# Altium PCB RF-BIG-DB5AT_v1.pcbdoc (part 5 of 7)
Units mm, origin at the board's own origin, x right, y up, seen from the top; angles counter-clockwise.
Board outline 281 x 128.57 mm, 2 copper layers (Top Layer, Bottom Layer), stack 1.671 mm thick; 500 components, 260 nets, 1552 pads, 9606 vias.
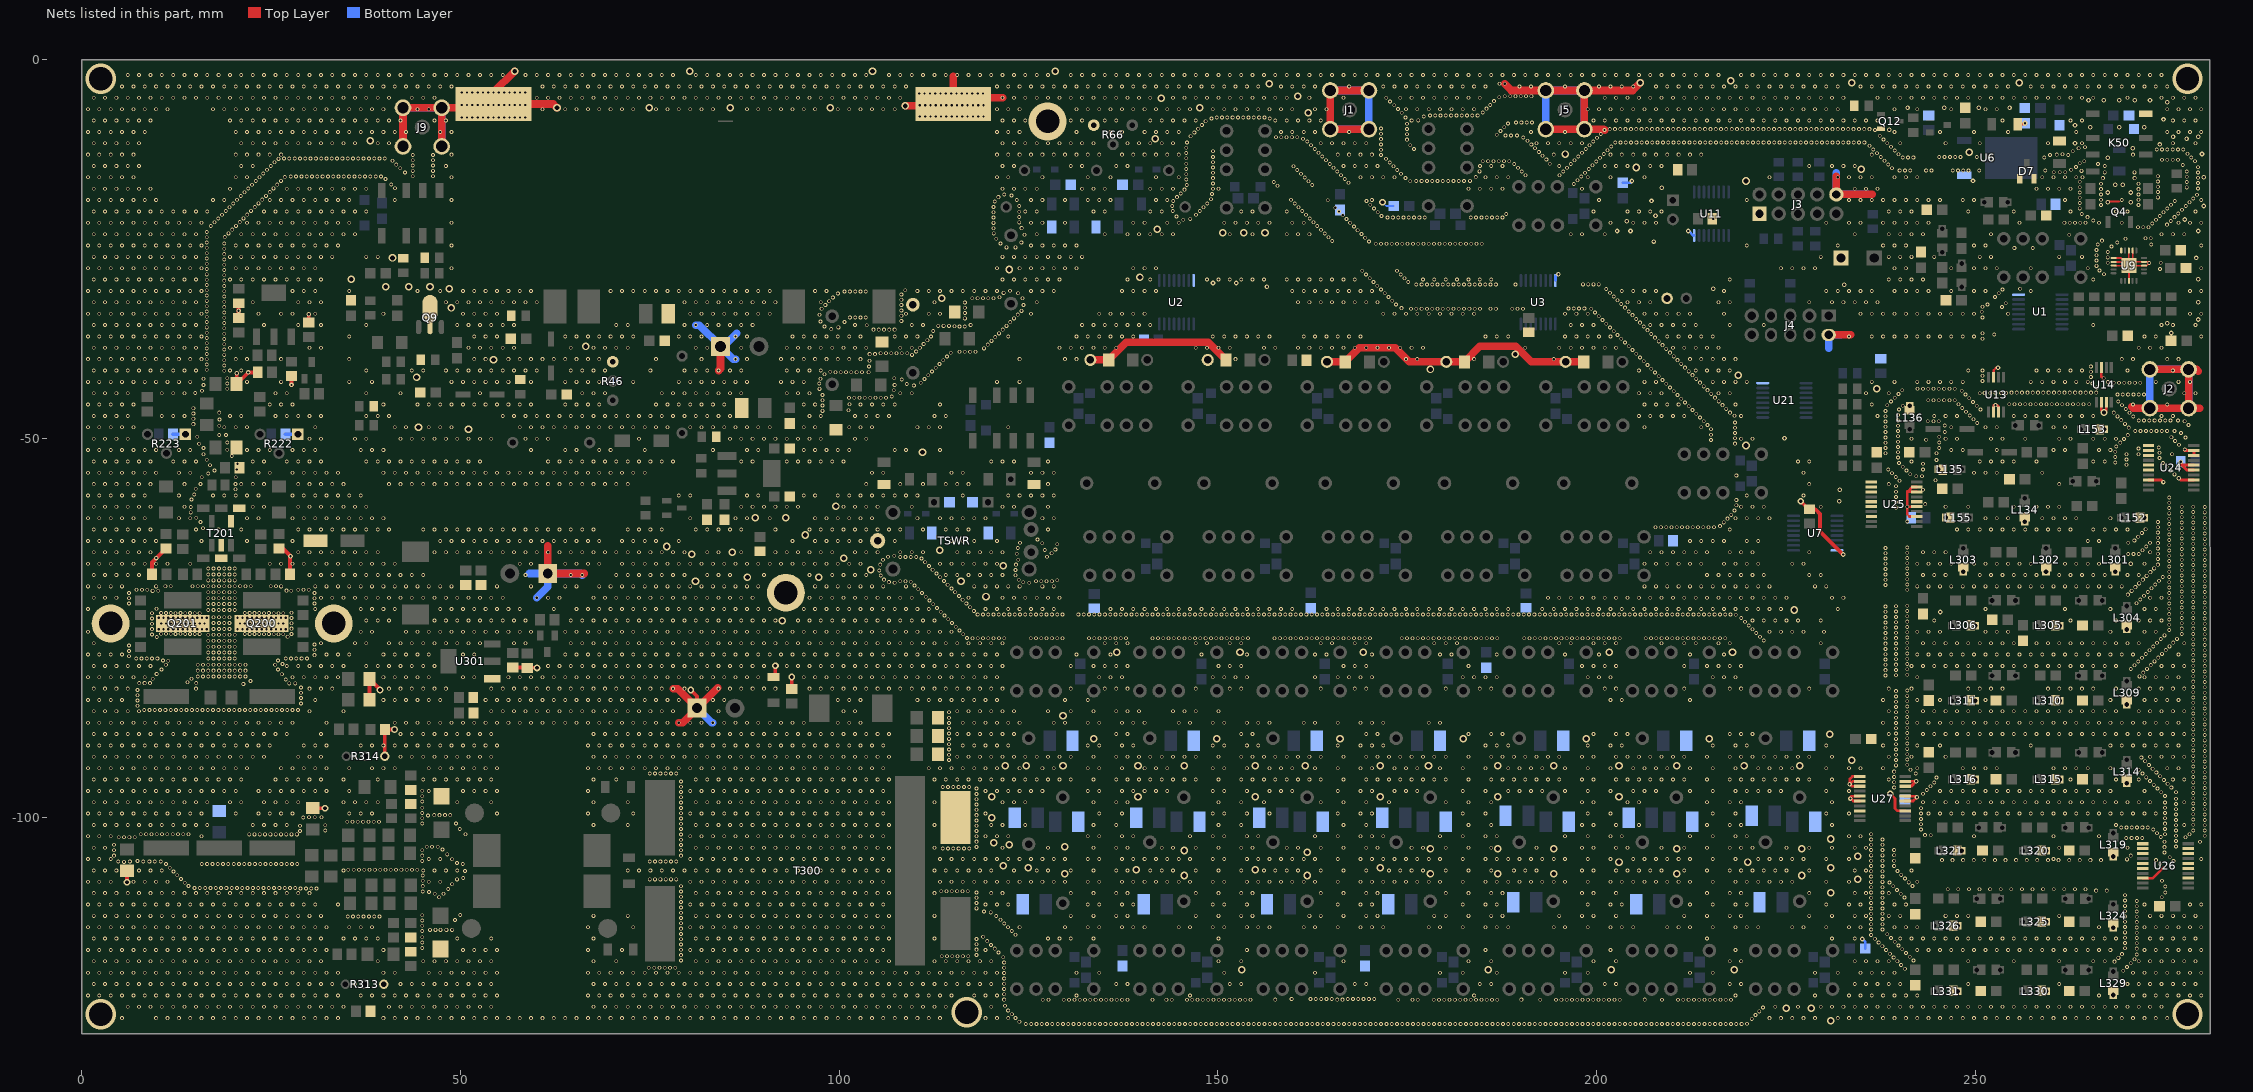
[diagram p5: the nets of this part, all layers, seen from the top]

## Via types
v1: diameter 0.5, hole 0.3, Top Layer to Bottom Layer, tented both sides, 9171 vias
v2: diameter 1, hole 0.61, Top Layer to Bottom Layer, 141 vias
v3: diameter 0.9, hole 0.5, Top Layer to Bottom Layer, 84 vias
v4: diameter 0.61, hole 0.305, Top Layer to Bottom Layer, 83 vias
v5: diameter 0.5, hole 0.3, Top Layer to Bottom Layer, tented bottom, 64 vias
v6: diameter 0.6, hole 0.3, Top Layer to Bottom Layer, 43 vias
v7: diameter 4, hole 3.1, Top Layer to Bottom Layer, 6 vias
v8: diameter 0.7, hole 0.3, Top Layer to Bottom Layer, 4 vias
v9: diameter 0.61, hole 0.306, Top Layer to Bottom Layer, 3 vias
v10: diameter 0.5, hole 0.305, Top Layer to Bottom Layer, 2 vias
v11: diameter 2, hole 1, Top Layer to Bottom Layer, 2 vias
v12: diameter 0.5, hole 0.3, Top Layer to Bottom Layer, 1 vias
v13: diameter 5, hole 3.1, Top Layer to Bottom Layer, 1 vias
v14: diameter 1, hole 0.4, Top Layer to Bottom Layer, 1 vias

## Nets (pads, with @x,y where several pads share a name; then routed paths per layer and width w, separated by ;. In a path a pad name is that pad's centre, name@x,y a point inside that pad or via, vN(x,y) a via of type N, cw(c..) or ccw(c..) an arc to the next point about the centre after c; other vN are vias at no path point) (continued)
GND: (continued)
  other v1: 72.068,-47.022 73.568,-47.022 75.068,-47.022 76.568,-47.022 78.068,-47.022 79.568,-47.022 81.068,-47.022 82.568,-47.022 84.068,-47.022 85.568,-47.022 96.068,-47.022 97.568,-47.022 102.068,-47.022 103.568,-47.022 105.068,-47.022 106.568,-47.022 112.568,-47.022 114.068,-47.022 205.568,-47.022 207.068,-47.022 208.568,-47.022 210.068,-47.022 211.568,-47.022 219.068,-47.022 237.068,-47.022 244.568,-47.022 246.068,-47.022 247.568,-47.022 255.068,-47.022 256.568,-47.022 258.068,-47.022 259.568,-47.022 261.068,-47.022 262.568,-47.022 264.068,-47.022 265.568,-47.022 274.568,-47.022 276.068,-47.022 218.186,-46.99 249.262,-46.951 239.776,-46.916 213.145,-46.725 14.732,-46.703 270.344,-46.609 18.161,-46.583 217.589,-46.583 268.256,-46.583 248.767,-46.456 97.79,-46.35 238.125,-46.355 101.219,-46.278 212.65,-46.23 239.916,-46.163 250.659,-46.163 269.849,-46.114 217.094,-46.088 14.732,-46.003 248.272,-45.961 212.155,-45.735 240.411,-45.668 250.164,-45.668 97.79,-45.65 238.373,-45.619 269.354,-45.619 216.599,-45.593 0.818,-45.522 2.318,-45.522 3.818,-45.522 5.318,-45.522 6.818,-45.522 24.818,-45.522 26.318,-45.522 27.818,-45.522 39.818,-45.522 44.318,-45.522 45.818,-45.522 47.318,-45.522 48.818,-45.522 50.318,-45.522 51.818,-45.522 53.318,-45.522 54.818,-45.522 56.318,-45.522 57.818,-45.522 59.318,-45.522 63.818,-45.522 65.318,-45.522 66.818,-45.522 68.318,-45.522 75.818,-45.522 77.318,-45.522 78.818,-45.522 80.318,-45.522 81.818,-45.522 83.318,-45.522 84.818,-45.522 95.318,-45.522 96.818,-45.522 102.818,-45.522 104.318,-45.522 105.818,-45.522 107.318,-45.522 113.318,-45.522 206.318,-45.522 207.818,-45.522 209.318,-45.522 210.818,-45.522 218.318,-45.522 236.318,-45.522 270.818,-45.522 275.318,-45.522 101.346,-45.466 247.777,-45.466 254.472,-45.466 255.172,-45.466 255.872,-45.466 256.572,-45.466 257.272,-45.466 257.972,-45.466 258.672,-45.466 259.372,-45.466 260.072,-45.466 260.772,-45.466 261.472,-45.466 262.172,-45.466 262.872,-45.466 263.572,-45.466 264.272,-45.466 265.036,-45.466 211.66,-45.24 249.669,-45.173 238.868,-45.124 268.859,-45.124 216.104,-45.098 97.79,-44.95 243.769,-44.958 244.469,-44.958 245.169,-44.958 245.869,-44.958 246.569,-44.958 247.269,-44.958 211.165,-44.745 249.174,-44.678 101.281,-44.633 101.981,-44.633 102.681,-44.633 103.381,-44.633 104.081,-44.633 104.781,-44.633 105.481,-44.633 106.181,-44.633 239.363,-44.629 215.609,-44.603 106.934,-44.45 97.79,-44.25 210.67,-44.25 268.761,-44.196 269.461,-44.196 270.161,-44.196 270.861,-44.196 271.561,-44.196 272.261,-44.196 248.679,-44.183 239.858,-44.134 215.114,-44.108 1.568,-44.022 3.068,-44.022 4.568,-44.022 6.068,-44.022 10.568,-44.022 12.068,-44.022 13.568,-44.022 25.568,-44.022 27.068,-44.022 37.568,-44.022 42.068,-44.022 52.568,-44.022 66.068,-44.022 67.568,-44.022 69.068,-44.022 76.568,-44.022 78.068,-44.022 79.568,-44.022 81.068,-44.022 82.568,-44.022 84.068,-44.022 85.568,-44.022 87.068,-44.022 93.068,-44.022 94.568,-44.022 96.068,-44.022 108.068,-44.022 109.568,-44.022 205.568,-44.022 207.068,-44.022 208.568,-44.022 216.068,-44.022 217.568,-44.022 235.568,-44.022 238.568,-44.022 250.568,-44.022 277.568,-44.022 279.068,-44.022 14.986,-43.992 251.206,-43.992 251.968,-43.992 252.665,-43.992 253.365,-43.992 254.065,-43.992 254.765,-43.942 255.465,-43.942 256.165,-43.942 256.865,-43.942 257.565,-43.942 258.265,-43.942 258.965,-43.942 259.665,-43.942 260.365,-43.942 261.065,-43.942 261.765,-43.942 262.465,-43.942 263.165,-43.942 263.865,-43.942 264.565,-43.942 265.265,-43.942 265.965,-43.942 210.175,-43.755 15.875,-43.688 248.184,-43.688 107.188,-43.626 240.353,-43.639 214.619,-43.613 19.218,-43.437 97.409,-43.447 242.369,-43.434 243.069,-43.434 243.769,-43.434 244.469,-43.434 245.169,-43.434 245.869,-43.434 246.569,-43.434 247.269,-43.434 209.68,-43.26 266.065,-43.251 214.124,-43.118 109.855,-42.988 107.315,-42.941 16.084,-42.926 108.905,-42.799 209.185,-42.765 19.218,-42.737 97.364,-42.741 265.457,-42.727 110.765,-42.649 268.251,-42.649 268.951,-42.649 269.651,-42.649 270.351,-42.649 271.051,-42.649 271.751,-42.649 213.629,-42.623 267.486,-42.545 0.818,-42.522 2.318,-42.522 3.818,-42.522 5.318,-42.522 6.818,-42.522 8.318,-42.522 9.818,-42.522 11.318,-42.522 12.818,-42.522 14.318,-42.522 21.818,-42.522 26.318,-42.522 35.318,-42.522 38.318,-42.522 48.818,-42.522 50.318,-42.522 51.818,-42.522 53.318,-42.522 54.818,-42.522 56.318,-42.522 59.318,-42.522 63.818,-42.522 65.318,-42.522 66.818,-42.522 68.318,-42.522 72.818,-42.522 78.818,-42.522 80.318,-42.522 81.818,-42.522 83.318,-42.522 84.818,-42.522 86.318,-42.522 87.818,-42.522 92.318,-42.522 93.818,-42.522 95.318,-42.522 120.818,-42.522 123.818,-42.522 206.318,-42.522 207.818,-42.522 215.318,-42.522 216.818,-42.522 218.318,-42.522 219.818,-42.522 236.318,-42.522 239.318,-42.522 242.318,-42.522 243.818,-42.522 245.318,-42.522 246.818,-42.522 248.318,-42.522 257.318,-42.522 258.818,-42.522 260.318,-42.522 261.818,-42.522 263.318,-42.522 264.818,-42.522 273.818,-42.522 276.818,-42.522 278.318,-42.522 250.938,-42.418 208.69,-42.27 108.251,-42.214 111.26,-42.154 213.134,-42.128 16.084,-42.121 97.536,-42.121 19.218,-42.037 107.276,-42.036 265.242,-41.883 208.195,-41.776 250.938,-41.718 111.755,-41.659 212.639,-41.633 98.062,-41.529 207.7,-41.281 99.497,-41.241 100.197,-41.241 100.897,-41.241 101.597,-41.241 102.297,-41.241 102.997,-41.241 103.883,-41.241 98.806,-41.197 112.25,-41.164 265.242,-41.183 212.144,-41.138 18.818,-41.057 1.568,-41.022 3.068,-41.022 4.568,-41.022 6.068,-41.022 7.568,-41.022 9.068,-41.022 10.568,-41.022 12.068,-41.022 13.568,-41.022 15.068,-41.022 19.568,-41.022 21.068,-41.022 37.568,-41.022 43.568,-41.022 45.068,-41.022 48.068,-41.022 49.568,-41.022 51.068,-41.022 52.568,-41.022 54.068,-41.022 55.568,-41.022 57.068,-41.022 58.568,-41.022 60.068,-41.022 64.568,-41.022 66.068,-41.022 67.568,-41.022 69.068,-41.022 75.068,-41.022 79.568,-41.022 81.068,-41.022 82.568,-41.022 85.568,-41.022 87.068,-41.022 93.068,-41.022 94.568,-41.022 96.068,-41.022 97.568,-41.022 205.568,-41.022 213.068,-41.022 214.568,-41.022 216.068,-41.022 217.568,-41.022 249.068,-41.022 250.938,-41.018 258.068,-41.022 259.568,-41.022 261.068,-41.022 262.568,-41.022 264.068,-41.022 270.068,-41.022 276.068,-41.022 16.488,-40.93 207.205,-40.786 112.745,-40.669 211.649,-40.643 103.945,-40.483 265.242,-40.483 18.818,-40.357 206.71,-40.291 16.488,-40.23 113.24,-40.174 211.154,-40.148 206.215,-39.796 104.01,-39.724 113.735,-39.679 18.818,-39.657 210.66,-39.653 0.818,-39.522 2.318,-39.522 3.818,-39.522 5.318,-39.522 6.818,-39.522 8.318,-39.522 9.818,-39.522 11.318,-39.522 12.818,-39.522 14.318,-39.522 15.818,-39.522 16.488,-39.53 20.318,-39.522 21.818,-39.522 26.318,-39.522 35.318,-39.522 51.818,-39.522 53.318,-39.522 56.318,-39.522 57.818,-39.522 59.318,-39.522 60.818,-39.522 62.318,-39.522 63.818,-39.522 65.318,-39.522 66.818,-39.522 68.318,-39.522 75.818,-39.522 81.818,-39.522 87.818,-39.522 92.318,-39.522 93.818,-39.522 95.318,-39.522 96.818,-39.522 98.318,-39.522 99.818,-39.522 101.318,-39.522 102.818,-39.522 123.818,-39.522 129.818,-39.522 131.318,-39.522 152.318,-39.522 174.818,-39.522 176.318,-39.522 183.818,-39.522 194.318,-39.522 212.318,-39.522 213.818,-39.522 215.318,-39.522 216.818,-39.522 218.318,-39.522 269.318,-39.522 270.818,-39.522 275.318,-39.522 276.818,-39.522 205.72,-39.301 114.23,-39.184 210.165,-39.158 18.818,-38.957 109.601,-38.957 104.013,-38.862 104.713,-38.862 16.488,-38.83 205.225,-38.806 105.466,-38.735 106.166,-38.735 106.866,-38.735 107.566,-38.735 108.266,-38.735 108.966,-38.735 114.725,-38.689 209.67,-38.664 115.883,-38.56 116.583,-38.56 117.283,-38.56 117.983,-38.56 110.15,-38.505 204.73,-38.311 18.818,-38.257 209.175,-38.169 16.488,-38.13 119.126,-38.1 1.568,-38.022 3.068,-38.022 4.568,-38.022 6.068,-38.022 7.568,-38.022 9.068,-38.022 10.568,-38.022 12.068,-38.022 13.568,-38.022 15.068,-38.022 19.568,-38.022 21.068,-38.022 30.068,-38.022 31.568,-38.022 51.068,-38.022 52.568,-38.022 54.068,-38.022 55.568,-38.022 57.068,-38.022 64.568,-38.022 67.568,-38.022 69.068,-38.022 70.568,-38.022 72.068,-38.022 81.068,-38.022 82.568,-38.022 87.068,-38.022 93.068,-38.022 94.568,-38.022 96.068,-38.022 97.568,-38.022 99.068,-38.022 100.568,-38.022 102.068,-38.022 103.568,-38.022 108.068,-38.022 109.568,-38.022 129.068,-38.022 130.568,-38.022 132.068,-38.022 133.568,-38.022 135.068,-38.022 136.568,-38.022 147.068,-38.022 148.568,-38.022 150.068,-38.022 151.568,-38.022 156.068,-38.022 157.568,-38.022 160.568,-38.022 162.068,-38.022 163.568,-38.022 165.068,-38.022 166.568,-38.022 168.068,-38.022 169.568,-38.022 171.068,-38.022 172.568,-38.022 174.068,-38.022 175.568,-38.022 177.068,-38.022 190.568,-38.022 195.068,-38.022 196.568,-38.022 198.068,-38.022 199.568,-38.022 201.068,-38.022 202.568,-38.022 210.068,-38.022 211.568,-38.022 213.068,-38.022 214.568,-38.022 216.068,-38.022 271.568,-38.022 273.068,-38.022 274.568,-38.022 110.645,-38.01 204.236,-37.816 208.68,-37.674 119.621,-37.605 18.818,-37.557 111.14,-37.515 16.488,-37.43 203.741,-37.321 208.185,-37.179 120.116,-37.11 111.635,-37.02 18.818,-36.857 203.246,-36.826 250.938,-36.818 16.488,-36.73 207.69,-36.684 120.611,-36.615 0.818,-36.522 2.318,-36.522 3.818,-36.522 5.318,-36.522 6.818,-36.522 8.318,-36.522 9.818,-36.522 11.318,-36.522 12.818,-36.522 14.318,-36.522 15.818,-36.522 35.318,-36.522 51.818,-36.522 53.318,-36.522 54.818,-36.522 63.818,-36.522 65.318,-36.522 66.818,-36.522 68.318,-36.522 69.818,-36.522 71.318,-36.522 72.818,-36.522 78.818,-36.522 80.318,-36.522 81.818,-36.522 86.318,-36.522 87.818,-36.522 93.818,-36.522 95.318,-36.522 96.818,-36.522 98.318,-36.522 99.818,-36.522 101.318,-36.522 102.818,-36.522 107.318,-36.522 108.818,-36.522 110.318,-36.522 112.13,-36.525 122.318,-36.522 131.318,-36.522 132.818,-36.522 134.318,-36.522 135.818,-36.522 137.318,-36.522 138.818,-36.522 149.318,-36.522 150.818,-36.522 152.318,-36.522 153.818,-36.522 155.318,-36.522 156.818,-36.522 161.318,-36.522 162.818,-36.522 164.318,-36.522 165.818,-36.522 167.318,-36.522 168.818,-36.522 185.318,-36.522 186.818,-36.522 188.318,-36.522 195.818,-36.522 197.318,-36.522 198.818,-36.522 200.318,-36.522 201.818,-36.522 209.318,-36.522 210.818,-36.522 212.318,-36.522 213.818,-36.522 215.318,-36.522 233.318,-36.522 236.318,-36.522 237.818,-36.522 239.318,-36.522 240.818,-36.522 242.318,-36.522 243.818,-36.522 245.318,-36.522 246.818,-36.522 248.318,-36.522 249.818,-36.522 272.318,-36.522 273.818,-36.522 279.818,-36.522 202.751,-36.331 252.476,-36.273 207.195,-36.189 18.818,-36.157 121.106,-36.12 250.938,-36.118 16.488,-36.03 202.256,-35.836 112.417,-35.814 206.7,-35.694 104.515,-35.625 105.215,-35.625 105.915,-35.625 106.615,-35.625 107.315,-35.625 121.601,-35.625 98.933,-35.56 18.818,-35.457 16.488,-35.33 99.887,-35.33 201.761,-35.341 98.062,-35.225 115.882,-35.199 116.583,-35.199 206.205,-35.199 115.22,-35.187 113.082,-35.13 113.782,-35.13 114.482,-35.13 122.096,-35.13 103.632,-35.052 1.568,-35.022 3.068,-35.022 4.568,-35.022 6.068,-35.022 7.568,-35.022 9.068,-35.022 10.568,-35.022 12.068,-35.022 13.568,-35.022 15.068,-35.022 24.068,-35.022 28.568,-35.022 31.568,-35.022 37.568,-35.022 49.568,-35.022 51.068,-35.022 52.568,-35.022 54.068,-35.022 55.568,-35.022 57.068,-35.022 70.568,-35.022 72.068,-35.022 79.568,-35.022 82.568,-35.022 84.068,-35.022 85.568,-35.022 87.068,-35.022 88.568,-35.022 102.068,-35.022 109.568,-35.022 111.068,-35.022 132.068,-35.022 133.568,-35.022 135.068,-35.022 136.568,-35.022 138.068,-35.022 139.568,-35.022 141.068,-35.022 196.568,-35.022 198.068,-35.022 199.568,-35.022 207.068,-35.022 208.568,-35.022 210.068,-35.022 211.568,-35.022 213.068,-35.022 217.568,-35.022 222.068,-35.022 265.568,-35.022 274.568,-35.022 276.068,-35.022 279.068,-35.022 117.348,-35.008 201.266,-34.846 18.818,-34.757 205.71,-34.704 122.591,-34.635 16.488,-34.63 100.686,-34.63 97.536,-34.544 108.204,-34.488 200.771,-34.351 205.215,-34.209 116.586,-34.14 123.086,-34.14 18.818,-34.057 101.405,-34.018 102.105,-34.018 102.805,-34.018 103.505,-34.018 250.938,-34.018 16.488,-33.93 200.276,-33.856 108.204,-33.788 204.72,-33.714 97.409,-33.655 123.581,-33.645 0.818,-33.522 2.318,-33.522 3.818,-33.522 5.318,-33.522 6.818,-33.522 8.318,-33.522 9.818,-33.522 11.318,-33.522 12.818,-33.522 14.318,-33.522 15.818,-33.522 23.318,-33.522 26.318,-33.522 27.818,-33.522 30.818,-33.522 39.818,-33.522 50.318,-33.522 51.818,-33.522 53.318,-33.522 54.818,-33.522 80.318,-33.522 81.818,-33.522 83.318,-33.522 84.818,-33.522 86.318,-33.522 87.818,-33.522 89.318,-33.522 90.818,-33.522 108.818,-33.522 111.818,-33.522 113.318,-33.522 125.318,-33.522 134.318,-33.522 135.818,-33.522 137.318,-33.522 138.818,-33.522 140.318,-33.522 171.818,-33.522 173.318,-33.522 174.818,-33.522 176.318,-33.522 177.818,-33.522 179.318,-33.522 180.818,-33.522 182.318,-33.522 183.818,-33.522 195.818,-33.522 197.318,-33.522 198.818,-33.522 206.318,-33.522 207.818,-33.522 209.318,-33.522 210.818,-33.522 212.318,-33.522 216.818,-33.522 234.818,-33.522 236.318,-33.522 237.818,-33.522 239.318,-33.522 240.818,-33.522 242.318,-33.522 243.818,-33.522 245.318,-33.522 246.818,-33.522 248.318,-33.522 249.818,-33.522 254.318,-33.522 278.318,-33.522 279.818,-33.522 116.586,-33.44 18.818,-33.357 199.781,-33.361 250.825,-33.274 16.488,-33.23 204.225,-33.219 124.076,-33.15 108.204,-33.088 97.676,-32.88 175.49,-32.866 176.19,-32.866 176.89,-32.866 177.59,-32.866 178.29,-32.866 178.99,-32.866 179.69,-32.866 180.39,-32.866 181.09,-32.866 181.79,-32.866 182.49,-32.866 183.19,-32.866 183.89,-32.866 184.59,-32.866 185.99,-32.866 186.69,-32.866 188.859,-32.866 189.559,-32.866 190.259,-32.866 199.286,-32.866 196.274,-32.843 196.974,-32.843 197.674,-32.843 198.374,-32.843 174.244,-32.788 116.586,-32.74 203.73,-32.724 18.818,-32.657 253.5,-32.633 250.938,-32.618 16.488,-32.53 98.171,-32.385 108.204,-32.388 124.333,-32.385 173.492,-32.317 251.587,-32.299 203.235,-32.229 253.995,-32.138 1.568,-32.022 3.068,-32.022 4.568,-32.022 6.068,-32.022 7.568,-32.022 9.068,-32.022 10.568,-32.022 12.068,-32.022 13.568,-32.022 15.068,-32.022 22.568,-32.022 28.568,-32.022 30.068,-32.022 31.568,-32.022 48.068,-32.022 49.568,-32.022 51.068,-32.022 52.568,-32.022 54.068,-32.022 55.568,-32.022 57.068,-32.022 58.568,-32.022 60.068,-32.022 79.568,-32.022 81.068,-32.022 82.568,-32.022 84.068,-32.022 85.568,-32.022 87.068,-32.022 88.568,-32.022 90.068,-32.022 91.568,-32.022 97.568,-32.022 112.568,-32.022 116.586,-32.04 126.068,-32.022 160.568,-32.022 162.068,-32.022 163.568,-32.022 165.068,-32.022 166.568,-32.022 168.068,-32.022 169.568,-32.022 171.068,-32.022 204.068,-32.022 205.568,-32.022 207.068,-32.022 216.068,-32.022 217.568,-32.022 228.068,-32.022 231.068,-32.022 232.568,-32.022 234.068,-32.022 235.568,-32.022 237.068,-32.022 18.818,-31.957 98.666,-31.89 16.488,-31.83 172.997,-31.822 202.74,-31.734 108.204,-31.688 117.572,-31.496 118.272,-31.496 118.972,-31.496 119.672,-31.496 120.372,-31.496 124.206,-31.496 99.161,-31.395 121.158,-31.34 172.502,-31.327 252.577,-31.309 18.818,-31.257 202.245,-31.239 16.488,-31.13 108.204,-30.988 99.822,-30.861 172.007,-30.832 123.62,-30.814 253.072,-30.814 121.705,-30.774 201.75,-30.744 100.705,-30.607 101.405,-30.607 102.105,-30.607 102.805,-30.607 103.505,-30.607 18.818,-30.557 0.818,-30.522 2.318,-30.522 3.818,-30.522 5.318,-30.522 6.818,-30.522 8.318,-30.522 9.818,-30.522 11.318,-30.522 12.818,-30.522 14.318,-30.522 15.818,-30.522 27.818,-30.522 29.318,-30.522 30.818,-30.522 35.318,-30.522 44.318,-30.522 47.318,-30.522 50.318,-30.522 51.818,-30.522 53.318,-30.522 54.818,-30.522 56.318,-30.522 57.818,-30.522 59.318,-30.522 69.818,-30.522 71.318,-30.522 72.818,-30.522 74.318,-30.522 75.818,-30.522 77.318,-30.522 78.818,-30.522 80.318,-30.522 81.818,-30.522 83.318,-30.522 84.818,-30.522 86.318,-30.522 87.818,-30.522 89.318,-30.522 90.818,-30.522 96.818,-30.522 98.318,-30.522 110.318,-30.522 111.818,-30.522 113.318,-30.522 114.818,-30.522 116.318,-30.522 117.818,-30.522 119.318,-30.522 120.818,-30.522 125.318,-30.522 126.818,-30.522 128.318,-30.522 137.318,-30.522 138.818,-30.522 140.318,-30.522 141.818,-30.522 159.818,-30.522 161.318,-30.522 162.818,-30.522 164.318,-30.522 165.818,-30.522 167.318,-30.522 168.818,-30.522 170.318,-30.522 203.318,-30.522 204.818,-30.522 206.318,-30.522 207.818,-30.522 216.818,-30.522 230.318,-30.522 231.818,-30.522 233.318,-30.522 234.818,-30.522 236.318,-30.522 239.318,-30.522 240.818,-30.522 242.318,-30.522 243.818,-30.522 246.818,-30.522 249.818,-30.522 251.318,-30.522 257.318,-30.522 278.318,-30.522 279.818,-30.522 122.555,-30.48 16.488,-30.43 108.73,-30.43 171.512,-30.337 253.567,-30.319 201.255,-30.249 255.905,-30.226 18.818,-29.857 171.017,-29.842 16.488,-29.73 176.19,-29.672 176.89,-29.672 177.59,-29.672 178.29,-29.672 178.99,-29.672 179.69,-29.672 180.39,-29.672 181.09,-29.672 181.79,-29.672 182.49,-29.672 183.19,-29.672 183.89,-29.672 184.59,-29.672 185.29,-29.672 185.99,-29.672 186.69,-29.672 189.276,-29.672 198.179,-29.652 198.879,-29.652 199.579,-29.652 200.279,-29.652 170.522,-29.347 175.133,-29.337 18.818,-29.157 1.568,-29.022 3.068,-29.022 4.568,-29.022 6.068,-29.022 7.568,-29.022 9.068,-29.022 10.568,-29.022 12.068,-29.022 13.568,-29.022 15.068,-29.022 16.488,-29.03 19.568,-29.022 21.068,-29.022 22.568,-29.022 24.068,-29.022 25.568,-29.022 27.068,-29.022 28.568,-29.022 30.068,-29.022 31.568,-29.022 121.568,-29.022 123.068,-29.022 124.568,-29.022 126.068,-29.022 127.568,-29.022 129.068,-29.022 138.068,-29.022 141.068,-29.022 148.568,-29.022 150.068,-29.022 151.568,-29.022 153.068,-29.022 154.568,-29.022 156.068,-29.022 159.068,-29.022 160.568,-29.022 162.068,-29.022 163.568,-29.022 165.068,-29.022 166.568,-29.022 168.068,-29.022 177.068,-29.022 178.568,-29.022 180.068,-29.022 181.568,-29.022 183.068,-29.022 184.568,-29.022 186.068,-29.022 217.568,-29.022 238.568,-29.022 240.068,-29.022 241.568,-29.022 243.068,-29.022 265.568,-29.022 170.027,-28.852 174.638,-28.842 18.818,-28.457 169.532,-28.357 174.143,-28.347 16.488,-28.33 266.98,-28.321 169.037,-27.862 173.648,-27.852 266.396,-27.813 18.818,-27.757 16.488,-27.63 274.362,-27.633 0.818,-27.522 2.318,-27.522 3.818,-27.522 5.318,-27.522 6.818,-27.522 8.318,-27.522 9.818,-27.522 11.318,-27.522 12.818,-27.522 14.318,-27.522 15.818,-27.522 20.318,-27.522 21.818,-27.522 23.318,-27.522 24.818,-27.522 26.318,-27.522 27.818,-27.522 29.318,-27.522 30.818,-27.522 48.818,-27.522 120.818,-27.522 123.818,-27.522 125.318,-27.522 126.818,-27.522 128.318,-27.522 129.818,-27.522 131.318,-27.522 138.818,-27.522 140.318,-27.522 141.818,-27.522 224.318,-27.522 225.818,-27.522 227.318,-27.522 228.818,-27.522 239.318,-27.522 240.818,-27.522 246.818,-27.522 249.818,-27.522 251.318,-27.522 252.818,-27.522 257.318,-27.522 264.818,-27.522 279.818,-27.522 265.979,-27.21 18.818,-27.057 16.488,-26.93 267.462,-26.786 274.46,-26.786 265.979,-26.51 18.818,-26.357 16.488,-26.23 267.462,-26.086 1.568,-26.022 3.068,-26.022 4.568,-26.022 6.068,-26.022 7.568,-26.022 9.068,-26.022 10.568,-26.022 12.068,-26.022 13.568,-26.022 15.068,-26.022 19.568,-26.022 21.068,-26.022 22.568,-26.022 24.068,-26.022 25.568,-26.022 27.068,-26.022 28.568,-26.022 30.068,-26.022 31.568,-26.022 33.068,-26.022 37.568,-26.022 39.068,-26.022 121.568,-26.022 123.068,-26.022 124.568,-26.022 126.068,-26.022 127.568,-26.022 129.068,-26.022 130.568,-26.022 132.068,-26.022 229.568,-26.022 238.568,-26.022 240.068,-26.022 241.568,-26.022 244.568,-26.022 250.568,-26.022 252.068,-26.022 261.068,-26.022 264.068,-26.022 265.979,-25.81 18.818,-25.657 16.488,-25.53 267.462,-25.386 265.979,-25.11 18.818,-24.957 16.488,-24.83 255.143,-24.842 257.556,-24.842 122.096,-24.765 123.27,-24.765 267.97,-24.638 0.818,-24.522 2.318,-24.522 3.818,-24.522 5.318,-24.522 6.818,-24.522 8.318,-24.522 9.818,-24.522 11.318,-24.522 12.818,-24.522 14.318,-24.522 15.818,-24.522 20.318,-24.522 21.818,-24.522 23.318,-24.522 24.818,-24.522 26.318,-24.522 27.818,-24.522 29.318,-24.522 30.818,-24.522 32.318,-24.522 33.818,-24.522 48.818,-24.522 